# Altium PCB OctopusPB_r0101.PcbDoc (part 5 of 11)
Units mm, origin at the board's own origin, x right, y up, seen from the top; angles counter-clockwise.
Board outline 318 x 80 mm, 4 copper layers (Top Layer, Layer 1, Layer 2, Bottom Layer), stack 1.567 mm thick; 1067 components, 459 nets, 3580 pads, 4392 vias.
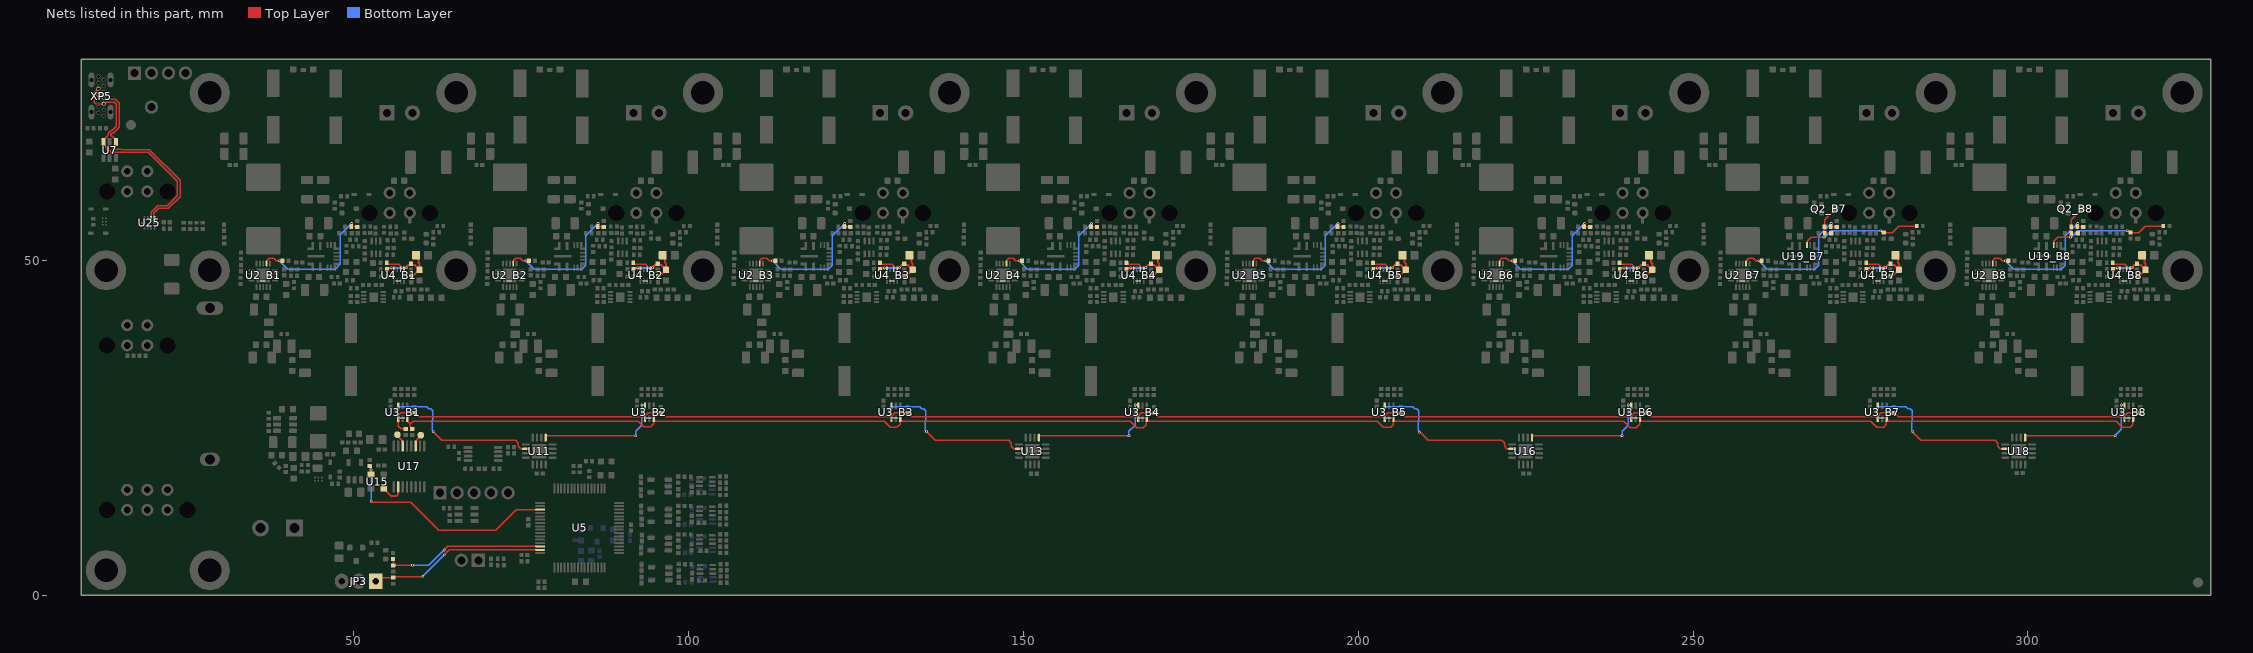
[diagram p7: the nets of this part, all layers, seen from the top]

## Via types
v1: diameter 0.4, hole 0.2, Top Layer to Bottom Layer, tented both sides, 4332 vias
v2: diameter 0.5, hole 0.2, Top Layer to Bottom Layer, tented both sides, 59 vias
v3: diameter 0.4, hole 0.2, Top Layer to Bottom Layer, 1 vias

## Nets (pads, with @x,y where several pads share a name; then routed paths per layer and width w, separated by ;. In a path a pad name is that pad's centre, name@x,y a point inside that pad or via, vN(x,y) a via of type N, cw(c..) or ccw(c..) an arc to the next point about the centre after c; other vN are vias at no path point) (continued)
BUCK_EN_B7_P: C70_B7.2 Q2_B7.3 R13_B7.1 R62_B7.2 R87_B7.1 R110_B7.2 U19_B7.7 | length 23.9
  Top Layer w0.2: U19_B7.7@267.025,52.275 267.05,52.3 267.05,52.844 267.628,53.422 267.625,53.425 v1@269.4,53.425 ; v1@269.475,53.5 269.655,53.68 R13_B7.1@269.655,54.05 ; C70_B7.2@270.635,54.025 270.623,54.037 269.668,54.037 R13_B7.1@269.655,54.05 ; Q2_B7.3@271.325,57.7 271.316,57.7 271.071,57.456 271.071,57.446 270.425,56.8 269.645,56.02 R87_B7.1@269.645,55 269.65,54.995 269.65,54.055 R13_B7.1@269.655,54.05 ; v1(278.038,54.388) 278.092,54.388 278.139,54.34 278.315,54.34 R62_B7.2@278.5,54.155 ; R62_B7.2@278.528,54.128 279.753,54.128 280.725,55.1 R110_B7.2@283.395,55.1
  Bottom Layer w0.2: v1(269.55,53.425) 269.675,53.425 270.625,54.375 278.025,54.375 v1(278.038,54.388)
BUCK_EN_B8_P: C70_B8.2 Q2_B8.3 R13_B8.1 R62_B8.2 R87_B8.1 R110_B8.2 U19_B8.7 | length 23.9
  Top Layer w0.2: U19_B8.7@303.85,52.275 303.875,52.3 303.875,52.844 304.453,53.422 304.45,53.425 v1@306.225,53.425 ; v1@306.3,53.5 306.48,53.68 R13_B8.1@306.48,54.05 ; C70_B8.2@307.46,54.025 307.448,54.037 306.493,54.037 R13_B8.1@306.48,54.05 ; Q2_B8.3@308.15,57.7 308.141,57.7 307.896,57.456 307.896,57.446 307.25,56.8 306.47,56.02 R87_B8.1@306.47,55 306.475,54.995 306.475,54.055 R13_B8.1@306.48,54.05 ; v1(314.863,54.388) 314.917,54.388 314.964,54.34 315.14,54.34 R62_B8.2@315.325,54.155 ; R62_B8.2@315.353,54.128 316.578,54.128 317.55,55.1 R110_B8.2@320.22,55.1
  Bottom Layer w0.2: v1(306.375,53.425) 306.5,53.425 307.45,54.375 314.85,54.375 v1(314.863,54.388)
BUCK_EN_RES_B1: R87_B1.2 R90_B1.2 R91_B1.2 U2_B1.10 | length 21.1
  Top Layer w0.2: U2_B1.10@36.974,49.477 36.989,49.492 36.989,49.925 37.34,50.275 38.013,50.275 38.388,49.9 v1(38.875,49.9) 38.9,49.925 R91_B1.2@39.32,49.925 ; R91_B1.2@39.32,49.9 39.52,49.9 R91_B1.2@39.545,49.925 ; R87_B1.2@49.7,55.095 R87_B1.2@49.605,55 49.62,54.985 50.485,54.985 R90_B1.2@50.5,54.97
  Bottom Layer w0.2: v1(38.875,49.9) 40.1,48.675 47.2,48.675 47.975,49.45 47.975,53.793 v1@49.7,55.518
  other v1: 49.675,55.475
BUCK_EN_RES_B2: R87_B2.2 R90_B2.2 R91_B2.2 U2_B2.10 | length 21.1
  Top Layer w0.2: U2_B2.10@73.799,49.477 73.814,49.492 73.814,49.925 74.165,50.275 74.838,50.275 75.213,49.9 v1(75.7,49.9) 75.725,49.925 R91_B2.2@76.145,49.925 ; R91_B2.2@76.145,49.9 76.345,49.9 R91_B2.2@76.37,49.925 ; R87_B2.2@86.525,55.095 R87_B2.2@86.43,55 86.445,54.985 87.31,54.985 R90_B2.2@87.325,54.97
  Bottom Layer w0.2: v1(75.7,49.9) 76.925,48.675 84.025,48.675 84.625,49.275 84.625,53.618 v1@86.525,55.518
  other v1: 86.5,55.475
BUCK_EN_RES_B3: R87_B3.2 R90_B3.2 R91_B3.2 U2_B3.10 | length 21.1
  Top Layer w0.2: U2_B3.10@110.624,49.477 110.639,49.492 110.639,49.925 110.99,50.275 111.663,50.275 112.038,49.9 v1(112.525,49.9) 112.55,49.925 R91_B3.2@112.97,49.925 ; R91_B3.2@112.97,49.9 113.17,49.9 R91_B3.2@113.195,49.925 ; R87_B3.2@123.35,55.095 R87_B3.2@123.255,55 123.27,54.985 124.135,54.985 R90_B3.2@124.15,54.97
  Bottom Layer w0.2: v1(112.525,49.9) 113.75,48.675 120.85,48.675 121.45,49.275 121.45,53.618 v1@123.35,55.518
  other v1: 123.325,55.475
BUCK_EN_RES_B4: R87_B4.2 R90_B4.2 R91_B4.2 U2_B4.10 | length 21.1
  Top Layer w0.2: U2_B4.10@147.449,49.477 147.464,49.492 147.464,49.925 147.815,50.275 148.488,50.275 148.863,49.9 v1(149.35,49.9) 149.375,49.925 R91_B4.2@149.795,49.925 ; R91_B4.2@149.795,49.9 149.995,49.9 R91_B4.2@150.02,49.925 ; R87_B4.2@160.175,55.095 R87_B4.2@160.08,55 160.095,54.985 160.96,54.985 R90_B4.2@160.975,54.97
  Bottom Layer w0.2: v1(149.35,49.9) 150.575,48.675 157.675,48.675 158.275,49.275 158.275,53.618 v1@160.175,55.518
  other v1: 160.15,55.475
BUCK_EN_RES_B5: R87_B5.2 R90_B5.2 R91_B5.2 U2_B5.10 | length 21.1
  Top Layer w0.2: U2_B5.10@184.274,49.477 184.289,49.492 184.289,49.925 184.64,50.275 185.313,50.275 185.688,49.9 v1(186.175,49.9) 186.2,49.925 R91_B5.2@186.62,49.925 ; R91_B5.2@186.62,49.9 186.82,49.9 R91_B5.2@186.845,49.925 ; R87_B5.2@197,55.095 R87_B5.2@196.905,55 196.92,54.985 197.785,54.985 R90_B5.2@197.8,54.97
  Bottom Layer w0.2: v1(186.175,49.9) 187.4,48.675 194.5,48.675 195.1,49.275 195.1,53.618 v1@197,55.518
  other v1: 196.975,55.475
BUCK_EN_RES_B6: R87_B6.2 R90_B6.2 R91_B6.2 U2_B6.10 | length 21.1
  Top Layer w0.2: U2_B6.10@221.099,49.477 221.114,49.492 221.114,49.925 221.465,50.275 222.138,50.275 222.513,49.9 v1(223,49.9) 223.025,49.925 R91_B6.2@223.445,49.925 ; R91_B6.2@223.445,49.9 223.645,49.9 R91_B6.2@223.67,49.925 ; R87_B6.2@233.825,55.095 R87_B6.2@233.73,55 233.745,54.985 234.61,54.985 R90_B6.2@234.625,54.97
  Bottom Layer w0.2: v1(223,49.9) 224.225,48.675 231.325,48.675 231.925,49.275 231.925,53.618 v1@233.825,55.518
  other v1: 233.8,55.475
BUCK_EN_RES_B7: R87_B7.2 R90_B7.2 R91_B7.2 U2_B7.10 | length 21.1
  Top Layer w0.2: U2_B7.10@257.924,49.477 257.939,49.492 257.939,49.925 258.29,50.275 258.963,50.275 259.338,49.9 v1(259.825,49.9) 259.85,49.925 R91_B7.2@260.27,49.925 ; R91_B7.2@260.27,49.9 260.47,49.9 R91_B7.2@260.495,49.925 ; R87_B7.2@270.65,55.095 R87_B7.2@270.555,55 270.57,54.985 271.435,54.985 R90_B7.2@271.45,54.97
  Bottom Layer w0.2: v1(259.825,49.9) 261.05,48.675 268.15,48.675 268.75,49.275 268.75,53.618 v1@270.65,55.518
  other v1: 270.625,55.475
BUCK_EN_RES_B8: R87_B8.2 R90_B8.2 R91_B8.2 U2_B8.10 | length 21.1
  Top Layer w0.2: U2_B8.10@294.749,49.477 294.764,49.492 294.764,49.925 295.115,50.275 295.788,50.275 296.163,49.9 v1(296.65,49.9) 296.675,49.925 R91_B8.2@297.095,49.925 ; R91_B8.2@297.095,49.9 297.295,49.9 R91_B8.2@297.32,49.925 ; R87_B8.2@307.475,55.095 R87_B8.2@307.38,55 307.395,54.985 308.26,54.985 R90_B8.2@308.275,54.97
  Bottom Layer w0.2: v1(296.65,49.9) 297.875,48.675 304.975,48.675 305.575,49.275 305.575,53.618 v1@307.475,55.518
  other v1: 307.45,55.475
CLK_1MHz: R52.2 R56_B1.1 R56_B2.1 R56_B3.1 R56_B4.1 R56_B5.1 R56_B6.1 R56_B7.1 R56_B8.1 U3_B1.1 U3_B2.1 U3_B3.1 U3_B4.1 U3_B5.1 U3_B6.1 U3_B7.1 U3_B8.1 | length 267.5
  Top Layer w0.2: R52.2@57.75,24.805 57.07,24.805 56.652,25.223 U3_B1.1@56.652,26.344 56.727,26.419 56.727,26.902 57.025,27.2 R56_B1.1@59.025,27.2 59.065,27.2 59.665,26.6 65.027,26.6 93.408,26.6 93.408,26.673 93.935,27.2 95.8,27.2 95.825,27.225 R56_B2.1@95.85,27.2 95.89,27.2 96.49,26.6 U3_B3.1@130.227,26.6 ; U3_B2.1@93.402,25.944 93.477,26.019 U3_B2.1@93.477,26.344 U3_B2.1@93.477,26.525 ; U3_B3.1@130.233,26.6 130.477,26.844 130.477,26.917 130.76,27.2 R56_B3.1@132.625,27.2 ; R56_B3.1@132.715,27.2 133.315,26.6 U3_B4.1@167.052,26.6 ; U3_B4.1@167.058,26.6 167.302,26.844 167.302,26.917 167.585,27.2 R56_B4.1@169.45,27.2 ; R56_B4.1@169.54,27.2 170.14,26.6 U3_B5.1@203.877,26.6 ; U3_B5.1@203.877,26.2 203.952,26.275 U3_B5.1@203.952,26.344 ; U3_B5.1@203.883,26.6 204.127,26.844 204.127,26.917 204.41,27.2 R56_B5.1@206.275,27.2 ; R56_B5.1@206.365,27.2 206.965,26.6 U3_B6.1@240.702,26.6 ; U3_B6.1@240.708,26.6 240.952,26.844 240.952,26.917 241.235,27.2 R56_B6.1@243.1,27.2 ; R56_B6.1@243.19,27.2 243.79,26.6 U3_B7.1@277.527,26.6 ; U3_B7.1@277.533,26.6 277.777,26.844 277.777,26.917 278.06,27.2 R56_B7.1@279.925,27.2 ; R56_B7.1@280.015,27.2 280.615,26.6 U3_B8.1@314.352,26.6 ; U3_B8.1@314.427,26.344 314.427,26.669 314.602,26.844 314.602,26.917 314.885,27.2 R56_B8.1@316.8,27.2
CLK_2MHz: TP2.0 U17.14 | length 1.7
  Top Layer w0.2: TP2.0@56.675,23.7 56.675,23.55 57.275,22.95 U17.14@57.275,22.25
CLK_4MHz: U15.3 U17.2 | length 3.8
  Top Layer w0.3: U15.3@54.45,15.875 54.5,15.875 55.6,14.775 56.325,14.775 56.625,15.075 U17.2@56.625,16.15
CLK_250kHz: TP3.0 U17.11 | length 1.9
  Top Layer w0.2: U17.11@59.225,22.25 59.225,22.947 59.445,23.166 59.445,23.299 TP3.0@60,23.855
CLK_500kHz: R55.2 U3_B1.3 U3_B2.3 U3_B3.3 U3_B4.3 U3_B5.3 U3_B6.3 U3_B7.3 U3_B8.3 | length 269.1
  Top Layer w0.2: U3_B1.3@57.952,26.344 57.952,26.019 58.425,25.546 ; R55.2@58.7,24.805 58.66,24.805 58.475,24.99 58.475,25.15 58.425,25.2 58.425,25.546 ; U3_B2.3@94.777,26.019 94.777,25.552 94.35,25.125 93.3,25.125 92.45,25.975 58.854,25.975 58.425,25.546 ; U3_B2.3@94.777,26.344 94.777,26.275 95.102,25.95 129.175,25.95 130.075,25.05 131.1,25.05 131.575,25.525 131.575,26.317 U3_B3.3@131.602,26.344 ; U3_B3.3@131.677,26.2 131.927,25.95 165.975,25.95 166.95,24.975 167.925,24.975 168.352,25.402 168.352,26.269 U3_B4.3@168.4,26.317 ; U3_B4.3@168.502,26.2 168.777,25.925 202.85,25.925 203.725,25.05 204.875,25.05 205.225,25.4 U3_B5.3@205.225,26.317 ; U3_B5.3@205.327,26.2 205.552,25.975 239.65,25.975 240.65,24.975 241.525,24.975 242.05,25.5 U3_B6.3@242.05,26.317 ; U3_B6.3@242.152,26.2 242.427,25.925 276.55,25.925 277.4,25.075 278.475,25.075 278.875,25.475 U3_B7.3@278.875,26.317 ; U3_B7.3@278.977,26.2 279.227,25.95 313.2,25.95 314.1,25.05 315.3,25.05 315.676,25.426 315.676,26.293 U3_B8.3@315.7,26.317
CLK_EN: R54.2 U5.51 U15.1 | length 34.4
  Top Layer w0.2: U15.1@52.55,17.975 v1(52.55,18.7) R54.2@52.55,19.27 ; v1(52.6,14) 52.625,13.975 52.625,13.875 58.484,13.875 62.7,9.659 71.184,9.659 74.284,12.759 U5.51@77.816,12.759
  Bottom Layer w0.2: v1(52.55,18.7) 52.575,18.675 52.575,14.025 v1(52.6,14)
CLK_SW1: U3_B1.6 U11.10 | length 25.4
  Top Layer w0.2: v1(56.223,27.725) 56.277,27.725 56.421,27.869 56.577,27.869 56.652,27.944 U3_B1.6@56.652,28.269 56.652,28.425 U3_B1.6@56.574,28.342 ; v1(61.875,24.375) 61.875,24.368 63.143,23.1 74.15,23.1 74.55,22.7 74.55,22.2 74.896,21.854 75.646,21.854 U11.10@75.675,21.825
  Bottom Layer w0.2: v1(56.223,27.725) 56.225,27.725 56.6,28.1 60.85,28.1 61.15,27.8 61.457,27.8 61.75,27.507 61.75,26.102 61.675,26.027 61.675,24.629 61.875,24.429 v1(61.875,24.375)
CLK_SW2: U3_B2.6 U11.5 | length 19.2
  Top Layer w0.2: U11.5@78.65,23.5 78.65,23.731 78.719,23.8 v1(92.1,23.8)
  Top Layer w0.3: v1(93.025,28.375) 93.452,28.375 93.477,28.35 U3_B2.6@93.477,28.269
  Bottom Layer w0.2: v1(92.1,23.8) 92.1,24.425 93.025,25.35 v1(93.025,28.375)
CLK_SW3: U3_B3.6 U13.10 | length 24.6
  Top Layer w0.2: v1@129.927,27.725 130.071,27.869 U3_B3.6@130.227,27.869 ; v1(135.525,24.368) 136.793,23.1 147.8,23.1 148.2,22.7 148.2,22.2 148.546,21.854 U13.10@149.296,21.854
  Bottom Layer w0.2: v1@129.875,27.725 130.25,28.1 134.5,28.1 134.8,27.8 135.107,27.8 135.4,27.507 135.4,26.102 135.325,26.027 135.325,24.629 v1@135.525,24.429
  other v1: 129.873,27.725
CLK_SW4: U3_B4.6 U13.5 | length 37.5
  Top Layer w0.2: U13.5@152.369,23.8 v1(165.75,23.8) U13.5@152.369,23.8
  Top Layer w0.3: v1(166.675,28.375) 167.102,28.375 v1(166.675,28.375)
  Bottom Layer w0.2: 165.75,24.425 166.675,25.35 ; 165.75,24.425 v1(165.75,23.8) 165.75,24.425 ; 165.75,24.425 166.675,25.35 ; 166.675,25.35 v1(166.675,28.375) 166.675,25.35
  other v1: 165.75,23.8 166.675,28.375
CLK_SW5: U3_B5.6 U16.10 | length 24.6
  Top Layer w0.2: v1@203.577,27.725 203.721,27.869 U3_B5.6@203.877,27.869 ; v1@209.175,24.368 210.443,23.1 221.45,23.1 221.85,22.7 221.85,22.2 222.196,21.854 U16.10@222.946,21.854
  Bottom Layer w0.2: v1@203.525,27.725 203.9,28.1 208.15,28.1 208.45,27.8 208.757,27.8 209.05,27.507 209.05,26.102 208.975,26.027 208.975,24.629 v1@209.175,24.429
  other v1: 209.125,24.325 203.523,27.725
CLK_SW6: U3_B6.6 U16.5 | length 18.8
  Top Layer w0.2: U16.5@226.019,23.8 v1(239.4,23.8)
  Top Layer w0.3: v1(240.325,28.375) U3_B6.6@240.752,28.375
  Bottom Layer w0.2: v1(239.4,23.8) 239.4,24.425 240.325,25.35 v1(240.325,28.375)
CLK_SW7: U3_B7.6 U18.10 | length 24.6
  Top Layer w0.2: v1@277.227,27.725 277.371,27.869 U3_B7.6@277.527,27.869 ; v1(282.825,24.368) 282.825,24.308 284.033,23.1 295.1,23.1 295.5,22.7 295.5,22.2 295.846,21.854 U18.10@296.596,21.854
  Bottom Layer w0.2: v1@277.175,27.725 277.55,28.1 281.8,28.1 282.1,27.8 282.407,27.8 282.7,27.507 282.7,26.102 282.625,26.027 282.625,24.629 v1@282.825,24.429
  other v1: 277.173,27.725
CLK_SW8: U3_B8.6 U18.5 | length 18.8
  Top Layer w0.2: U18.5@299.669,23.8 v1(313.05,23.8)
  Top Layer w0.3: v1(313.975,28.375) U3_B8.6@314.402,28.375
  Bottom Layer w0.2: v1(313.05,23.8) 313.05,23.85 313.975,24.775 v1(313.975,28.375)
COOLER_FB: JP3.1 R70.1 U5.63 | length 26.5
  Top Layer w0.2: JP3.1@53.265,2.075 53.795,2.605 R70.1@55.875,2.605 56.032,2.762 60.237,2.762 v1(60.275,2.8) ; v1(63.475,6.025) 63.482,6.025 64.216,6.759 U5.63@77.816,6.759
  Bottom Layer w0.2: v1(60.275,2.8) 60.275,2.825 v1(63.475,6.025)
COOLER_SW: R72.1 R73.1 U5.62 | length 24.1
  Top Layer w0.2: R73.1@55.85,5.365 55.862,5.352 55.862,4.438 R72.1@55.875,4.425 v1(58.75,4.425) ; v1(63.475,6.725) 64.009,7.259 U5.62@77.816,7.259
  Bottom Layer w0.2: v1(58.75,4.425) 61.168,4.425 63.425,6.682 63.425,6.725 v1(63.475,6.725)
CUSB_D_N: U7.3 U25.2 XP5.A7 XP5.B7 | length 34.5
  Top Layer w0.1: 11.575,73.375 XP5.A7@12.63,73.375
  Top Layer w0.2: 11.55,73.4 11.475,73.4 11.25,73.625 11.25,75.025 XP5.B7@11.85,75.625 ; XP5.A7@12.63,73.375 12.697,73.375 12.947,73.625 14.2,73.625 14.525,73.3 14.525,70 13.875,69.35 13.676,69.35 13.325,68.999 13.325,68.667 13.208,68.55 13.153,68.55 12.925,68.322 12.925,68.3 12.575,67.95 U7.3@12.575,67.65 12.575,67.35 12.925,67 12.925,66.978 13,66.903 13,66.693 13.293,66.4 13.525,66.4 13.775,66.15 15.128,66.15 15.153,66.125 19.3,66.125 23.655,61.77 23.655,59.662 22.122,58.129 20.716,58.129 19.75,57.163 19.75,56.565 19.725,56.54 19.725,56.275 U25.2@19.7,56.25
  Bottom Layer w0.2: XP5.A7@12.63,73.375 XP5.A7@12.78,73.525
CUSB_D_P: U7.1 U25.1 XP5.A6 XP5.B6 | length 31.9
  Top Layer w0.2: XP5.B6@11.876,74.699 12.206,74.699 XP5.A6@12.63,74.275 12.697,74.275 12.947,74.025 14.366,74.025 14.925,73.466 14.925,69.834 14.041,68.95 13.842,68.95 13.725,68.833 13.725,68.667 13.842,68.55 13.897,68.55 14.125,68.322 14.125,68.3 14.475,67.95 U7.1@14.475,67.65 14.475,67.35 14.125,67 14.125,66.978 14,66.853 14,66.693 13.979,66.672 13.979,66.667 14.097,66.55 15.294,66.55 15.319,66.525 19.466,66.525 24.055,61.936 24.055,59.496 22.288,57.729 20.882,57.729 20.15,56.997 20.15,56.3 U25.1@20.2,56.25 U25.1@20.267,56.183 ; U25.1@20.202,56.223 U25.1@20.225,56.2
  Bottom Layer w0.2: XP5.B6@11.85,74.725 XP5.B6@11.876,74.699
DAC_OUT_B1: R21_B1.2 U4_B1.2 | length 2.7
  Top Layer w0.2: R21_B1.2@54.905,49.575 54.905,49.555 55.09,49.37 56.729,49.37 56.979,49.119 U4_B1.2@56.979,48.67
DAC_OUT_B2: R21_B2.2 U4_B2.2 | length 2.7
  Top Layer w0.2: R21_B2.2@91.73,49.575 91.73,49.555 91.915,49.37 93.554,49.37 93.804,49.119 U4_B2.2@93.804,48.67
DAC_OUT_B3: R21_B3.2 U4_B3.2 | length 2.7
  Top Layer w0.2: R21_B3.2@128.555,49.575 128.555,49.555 128.74,49.37 130.379,49.37 130.629,49.119 U4_B3.2@130.629,48.67
DAC_OUT_B4: R21_B4.2 U4_B4.2 | length 2.7
  Top Layer w0.2: R21_B4.2@165.38,49.575 165.38,49.555 165.565,49.37 167.204,49.37 167.454,49.119 U4_B4.2@167.454,48.67
DAC_OUT_B5: R21_B5.2 U4_B5.2 | length 2.7
  Top Layer w0.2: R21_B5.2@202.205,49.575 202.205,49.555 202.39,49.37 204.029,49.37 204.279,49.119 U4_B5.2@204.279,48.67
DAC_OUT_B6: R21_B6.2 U4_B6.2 | length 2.7
  Top Layer w0.2: R21_B6.2@239.03,49.575 239.03,49.555 239.215,49.37 240.854,49.37 241.104,49.119 U4_B6.2@241.104,48.67
DAC_OUT_B7: R21_B7.2 U4_B7.2 | length 2.7
  Top Layer w0.2: R21_B7.2@275.855,49.575 275.855,49.555 276.04,49.37 277.679,49.37 277.929,49.119 U4_B7.2@277.929,48.67
DAC_OUT_B8: R21_B8.2 U4_B8.2 | length 2.7
  Top Layer w0.2: R21_B8.2@312.68,49.575 312.68,49.555 312.865,49.37 314.504,49.37 314.754,49.119 U4_B8.2@314.754,48.67
DAC_VDD_B1: C31_B1.1 C32_B1.1 C33_B1.1 L3_B1.2 R25_B1.2 U4_B1.1 U4_B1.4 | length 10.1
  Top Layer w0.2: U4_B1.4@55.979,48.656 U4_B1.4@55.979,48.67 ; U4_B1.1@57.479,48.525 U4_B1.1@57.479,48.62 ; U4_B1.1@57.479,48.705 U4_B1.1@57.501,48.727 ; U4_B1.1@57.502,48.726 57.502,48.728 U4_B1.1@57.504,48.73
  Top Layer w0.3: R25_B1.2@54.93,48.675 54.93,48.697 55.065,48.832 55.533,48.832 v1(55.552,48.851) v1(55.552,48.851) 55.85,48.85 ; v1@57.827,48.876 57.847,48.895 57.847,48.98 58.151,49.285 58.39,49.285 C33_B1.1@58.55,49.445 ; C33_B1.1@58.55,49.465 C33_B1.1@58.55,49.445 ; C32_B1.1@58.575,47.59 58.575,47.61 58.735,47.77 58.97,47.77 C31_B1.1@59.775,48.575 ; L3_B1.2@59.299,50.75 59.629,50.42 59.629,49.646 59.8,49.475 C31_B1.1@59.8,48.575 C31_B1.1@59.775,48.575 ; C33_B1.1@58.55,49.445 58.71,49.285 59.065,49.285 C31_B1.1@59.775,48.575
  Bottom Layer w0.3: v1(55.552,48.851) 55.565,48.864 57.815,48.864 v1@57.827,48.876
  other v1: 57.777,48.876
DAC_VDD_B2: C31_B2.1 C32_B2.1 C33_B2.1 L3_B2.2 R25_B2.2 U4_B2.1 U4_B2.4 | length 10.1
  Top Layer w0.2: U4_B2.4@92.804,48.656 U4_B2.4@92.804,48.67 ; U4_B2.1@94.304,48.525 U4_B2.1@94.304,48.62 ; U4_B2.1@94.304,48.705 U4_B2.1@94.326,48.727 ; U4_B2.1@94.327,48.726 94.327,48.728 U4_B2.1@94.329,48.73
  Top Layer w0.3: R25_B2.2@91.755,48.675 91.755,48.697 91.89,48.832 92.358,48.832 v1(92.377,48.851) v1(92.377,48.851) 92.675,48.85 ; v1@94.652,48.876 94.672,48.895 94.672,48.98 94.976,49.285 95.215,49.285 C33_B2.1@95.375,49.445 ; C33_B2.1@95.375,49.465 C33_B2.1@95.375,49.445 ; C32_B2.1@95.4,47.59 95.4,47.61 95.56,47.77 95.795,47.77 C31_B2.1@96.6,48.575 ; L3_B2.2@96.124,50.75 96.454,50.42 96.454,49.646 96.625,49.475 C31_B2.1@96.625,48.575 C31_B2.1@96.6,48.575 ; C33_B2.1@95.375,49.445 95.535,49.285 95.89,49.285 C31_B2.1@96.6,48.575
  Bottom Layer w0.3: v1(92.377,48.851) 92.39,48.864 94.64,48.864 v1@94.652,48.876
  other v1: 94.602,48.876
DAC_VDD_B3: C31_B3.1 C32_B3.1 C33_B3.1 L3_B3.2 R25_B3.2 U4_B3.1 U4_B3.4 | length 10.1
  Top Layer w0.2: U4_B3.4@129.629,48.656 U4_B3.4@129.629,48.67 ; U4_B3.1@131.129,48.525 U4_B3.1@131.129,48.62 ; U4_B3.1@131.129,48.705 U4_B3.1@131.151,48.727 ; U4_B3.1@131.152,48.726 131.152,48.728 U4_B3.1@131.154,48.73
  Top Layer w0.3: R25_B3.2@128.58,48.675 128.58,48.697 128.715,48.832 129.183,48.832 v1(129.202,48.851) v1(129.202,48.851) 129.5,48.85 ; v1@131.477,48.876 131.497,48.895 131.497,48.98 131.801,49.285 132.04,49.285 C33_B3.1@132.2,49.445 ; C33_B3.1@132.2,49.465 C33_B3.1@132.2,49.445 ; C32_B3.1@132.225,47.59 132.225,47.61 132.385,47.77 132.62,47.77 C31_B3.1@133.425,48.575 ; L3_B3.2@132.949,50.75 133.279,50.42 133.279,49.646 133.45,49.475 C31_B3.1@133.45,48.575 C31_B3.1@133.425,48.575 ; C33_B3.1@132.2,49.445 132.36,49.285 132.715,49.285 C31_B3.1@133.425,48.575
  Bottom Layer w0.3: v1(129.202,48.851) 129.215,48.864 131.465,48.864 v1@131.477,48.876
  other v1: 131.427,48.876
DAC_VDD_B4: C31_B4.1 C32_B4.1 C33_B4.1 L3_B4.2 R25_B4.2 U4_B4.1 U4_B4.4 | length 10.1
  Top Layer w0.2: U4_B4.4@166.454,48.656 U4_B4.4@166.454,48.67 ; U4_B4.1@167.954,48.525 U4_B4.1@167.954,48.62 ; U4_B4.1@167.954,48.705 U4_B4.1@167.976,48.727 ; U4_B4.1@167.977,48.726 167.977,48.728 U4_B4.1@167.979,48.73
  Top Layer w0.3: R25_B4.2@165.405,48.675 165.405,48.697 165.54,48.832 166.008,48.832 v1(166.027,48.851) v1(166.027,48.851) 166.325,48.85 ; v1@168.302,48.876 168.322,48.895 168.322,48.98 168.626,49.285 168.865,49.285 C33_B4.1@169.025,49.445 ; C33_B4.1@169.025,49.465 C33_B4.1@169.025,49.445 ; C32_B4.1@169.05,47.59 169.05,47.61 169.21,47.77 169.445,47.77 C31_B4.1@170.25,48.575 ; L3_B4.2@169.774,50.75 170.104,50.42 170.104,49.646 170.275,49.475 C31_B4.1@170.275,48.575 C31_B4.1@170.25,48.575 ; C33_B4.1@169.025,49.445 169.185,49.285 169.54,49.285 C31_B4.1@170.25,48.575
  Bottom Layer w0.3: v1(166.027,48.851) 166.04,48.864 168.29,48.864 v1@168.302,48.876
  other v1: 168.252,48.876
DAC_VDD_B5: C31_B5.1 C32_B5.1 C33_B5.1 L3_B5.2 R25_B5.2 U4_B5.1 U4_B5.4 | length 10.1
  Top Layer w0.2: U4_B5.4@203.279,48.656 U4_B5.4@203.279,48.67 ; U4_B5.1@204.779,48.525 U4_B5.1@204.779,48.62 ; U4_B5.1@204.779,48.705 U4_B5.1@204.801,48.727 ; U4_B5.1@204.802,48.726 204.802,48.728 U4_B5.1@204.804,48.73
  Top Layer w0.3: R25_B5.2@202.23,48.675 202.23,48.697 202.365,48.832 202.833,48.832 v1(202.852,48.851) v1(202.852,48.851) 203.15,48.85 ; v1@205.127,48.876 205.147,48.895 205.147,48.98 205.451,49.285 205.69,49.285 C33_B5.1@205.85,49.445 ; C33_B5.1@205.85,49.465 C33_B5.1@205.85,49.445 ; C32_B5.1@205.875,47.59 205.875,47.61 206.035,47.77 206.27,47.77 C31_B5.1@207.075,48.575 ; L3_B5.2@206.599,50.75 206.929,50.42 206.929,49.646 207.1,49.475 C31_B5.1@207.1,48.575 C31_B5.1@207.075,48.575 ; C33_B5.1@205.85,49.445 206.01,49.285 206.365,49.285 C31_B5.1@207.075,48.575
  Bottom Layer w0.3: v1(202.852,48.851) 202.865,48.864 205.115,48.864 v1@205.127,48.876
  other v1: 205.077,48.876
DAC_VDD_B6: C31_B6.1 C32_B6.1 C33_B6.1 L3_B6.2 R25_B6.2 U4_B6.1 U4_B6.4 | length 10.1
  Top Layer w0.2: U4_B6.4@240.104,48.656 U4_B6.4@240.104,48.67 ; U4_B6.1@241.604,48.525 U4_B6.1@241.604,48.62 ; U4_B6.1@241.604,48.705 U4_B6.1@241.626,48.727 ; U4_B6.1@241.627,48.726 241.627,48.728 U4_B6.1@241.629,48.73
  Top Layer w0.3: R25_B6.2@239.055,48.675 239.055,48.697 239.19,48.832 239.658,48.832 v1(239.677,48.851) v1(239.677,48.851) 239.975,48.85 ; v1@241.952,48.876 241.972,48.895 241.972,48.98 242.276,49.285 242.515,49.285 C33_B6.1@242.675,49.445 ; C33_B6.1@242.675,49.465 C33_B6.1@242.675,49.445 ; C32_B6.1@242.7,47.59 242.7,47.61 242.86,47.77 243.095,47.77 C31_B6.1@243.9,48.575 ; L3_B6.2@243.424,50.75 243.754,50.42 243.754,49.646 243.925,49.475 C31_B6.1@243.925,48.575 C31_B6.1@243.9,48.575 ; C33_B6.1@242.675,49.445 242.835,49.285 243.19,49.285 C31_B6.1@243.9,48.575
  Bottom Layer w0.3: v1(239.677,48.851) 239.69,48.864 241.94,48.864 v1@241.952,48.876
  other v1: 241.902,48.876
DAC_VDD_B7: C31_B7.1 C32_B7.1 C33_B7.1 L3_B7.2 R25_B7.2 U4_B7.1 U4_B7.4 | length 10.1
  Top Layer w0.2: U4_B7.4@276.929,48.656 U4_B7.4@276.929,48.67 ; U4_B7.1@278.429,48.525 U4_B7.1@278.429,48.62 ; U4_B7.1@278.429,48.705 U4_B7.1@278.451,48.727 ; U4_B7.1@278.452,48.726 278.452,48.728 U4_B7.1@278.454,48.73
  Top Layer w0.3: R25_B7.2@275.88,48.675 275.88,48.697 276.015,48.832 276.483,48.832 v1(276.502,48.851) 276.503,48.85 276.8,48.85 ; v1@278.777,48.876 278.797,48.895 278.797,48.98 279.101,49.285 279.34,49.285 C33_B7.1@279.5,49.445 ; C33_B7.1@279.5,49.465 C33_B7.1@279.5,49.445 ; C32_B7.1@279.525,47.59 279.525,47.61 279.685,47.77 279.92,47.77 C31_B7.1@280.725,48.575 ; L3_B7.2@280.249,50.75 280.579,50.42 280.579,49.646 280.75,49.475 C31_B7.1@280.75,48.575 C31_B7.1@280.725,48.575 ; C33_B7.1@279.5,49.445 279.66,49.285 280.015,49.285 C31_B7.1@280.725,48.575
  Bottom Layer w0.3: v1(276.502,48.851) 276.515,48.864 278.765,48.864 v1@278.777,48.876
  other v1: 278.727,48.876
DAC_VDD_B8: C31_B8.1 C32_B8.1 C33_B8.1 L3_B8.2 R25_B8.2 U4_B8.1 U4_B8.4 | length 10.1
  Top Layer w0.2: U4_B8.4@313.754,48.656 U4_B8.4@313.754,48.67 ; U4_B8.1@315.254,48.525 U4_B8.1@315.254,48.62 ; U4_B8.1@315.254,48.705 U4_B8.1@315.276,48.727 ; U4_B8.1@315.277,48.726 315.277,48.728 U4_B8.1@315.279,48.73
  Top Layer w0.3: R25_B8.2@312.705,48.675 312.705,48.697 312.84,48.832 313.308,48.832 v1(313.327,48.851) 313.328,48.85 313.625,48.85 ; v1@315.602,48.876 315.622,48.895 315.622,48.98 315.926,49.285 316.165,49.285 C33_B8.1@316.325,49.445 ; C33_B8.1@316.325,49.465 C33_B8.1@316.325,49.445 ; C32_B8.1@316.35,47.59 316.35,47.61 316.51,47.77 316.745,47.77 C31_B8.1@317.55,48.575 ; L3_B8.2@317.074,50.75 317.404,50.42 317.404,49.646 317.575,49.475 C31_B8.1@317.575,48.575 C31_B8.1@317.55,48.575 ; C33_B8.1@316.325,49.445 316.485,49.285 316.84,49.285 C31_B8.1@317.55,48.575
  Bottom Layer w0.3: v1(313.327,48.851) 313.34,48.864 315.59,48.864 v1@315.602,48.876
  other v1: 315.552,48.876